# Altium PCB Archimajor.PcbDoc (part 1 of 13) (continued)
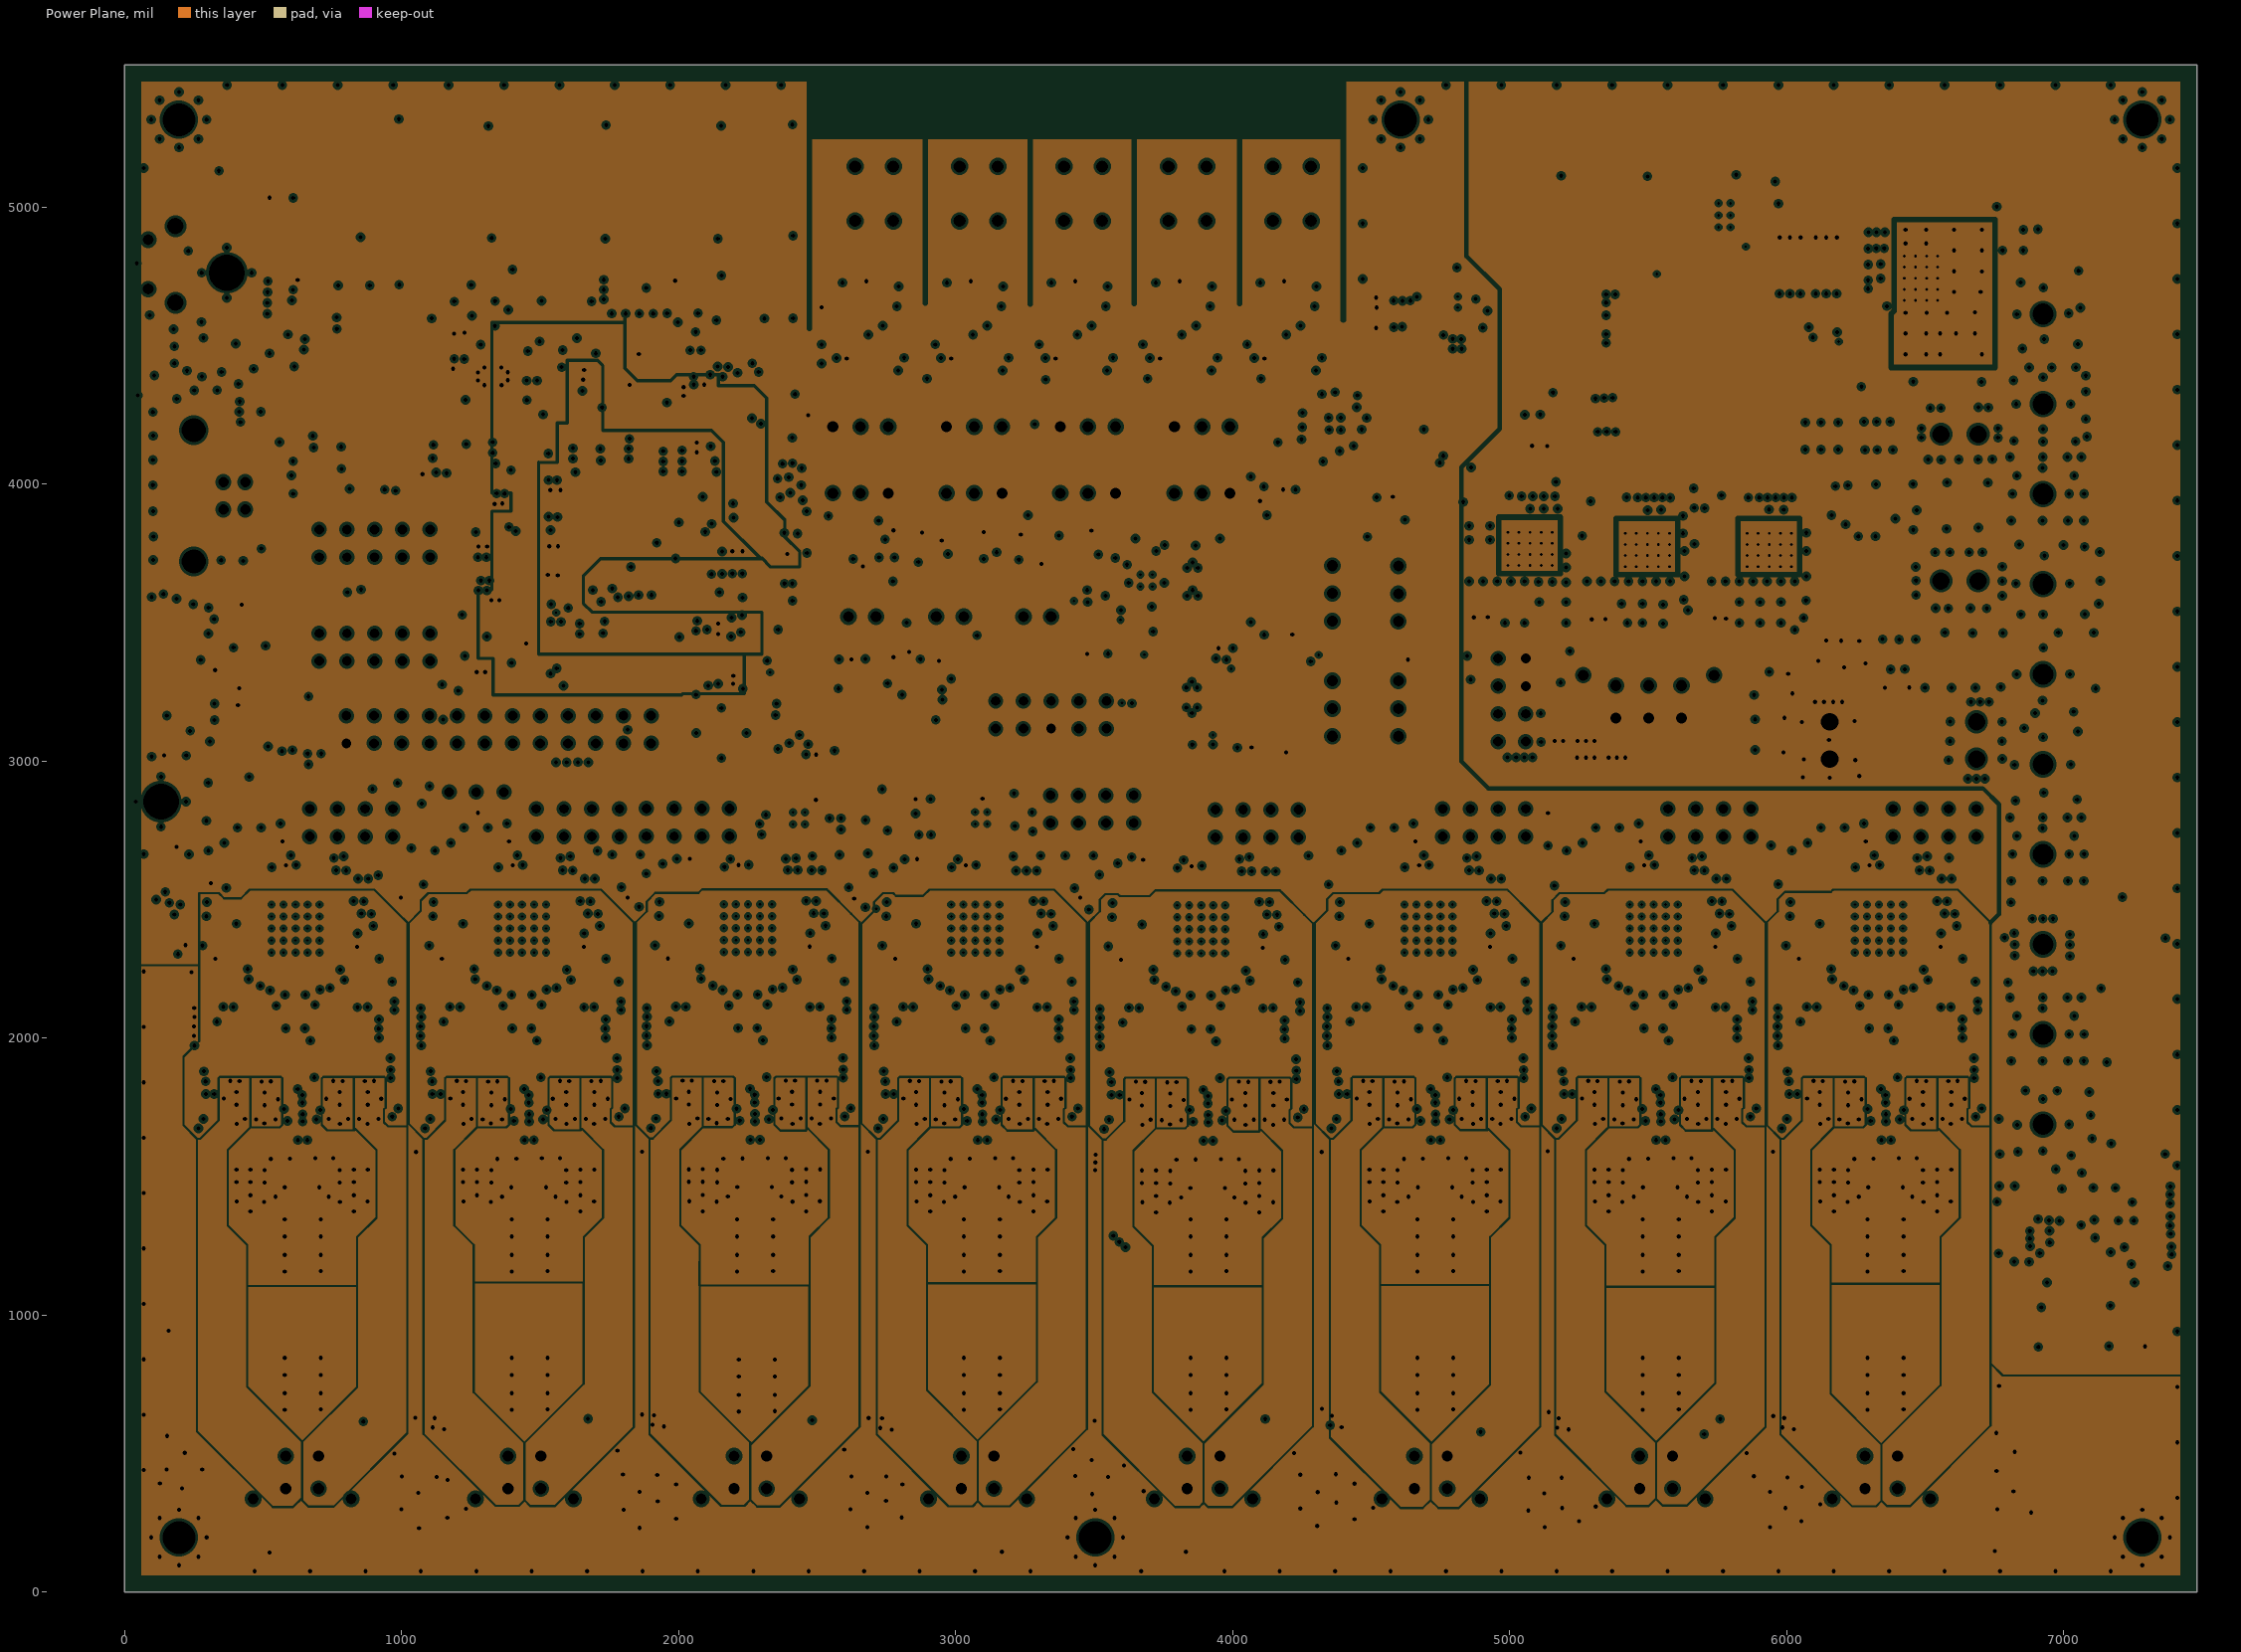
[diagram p3: Power Plane, clearances drawn from the general rule]
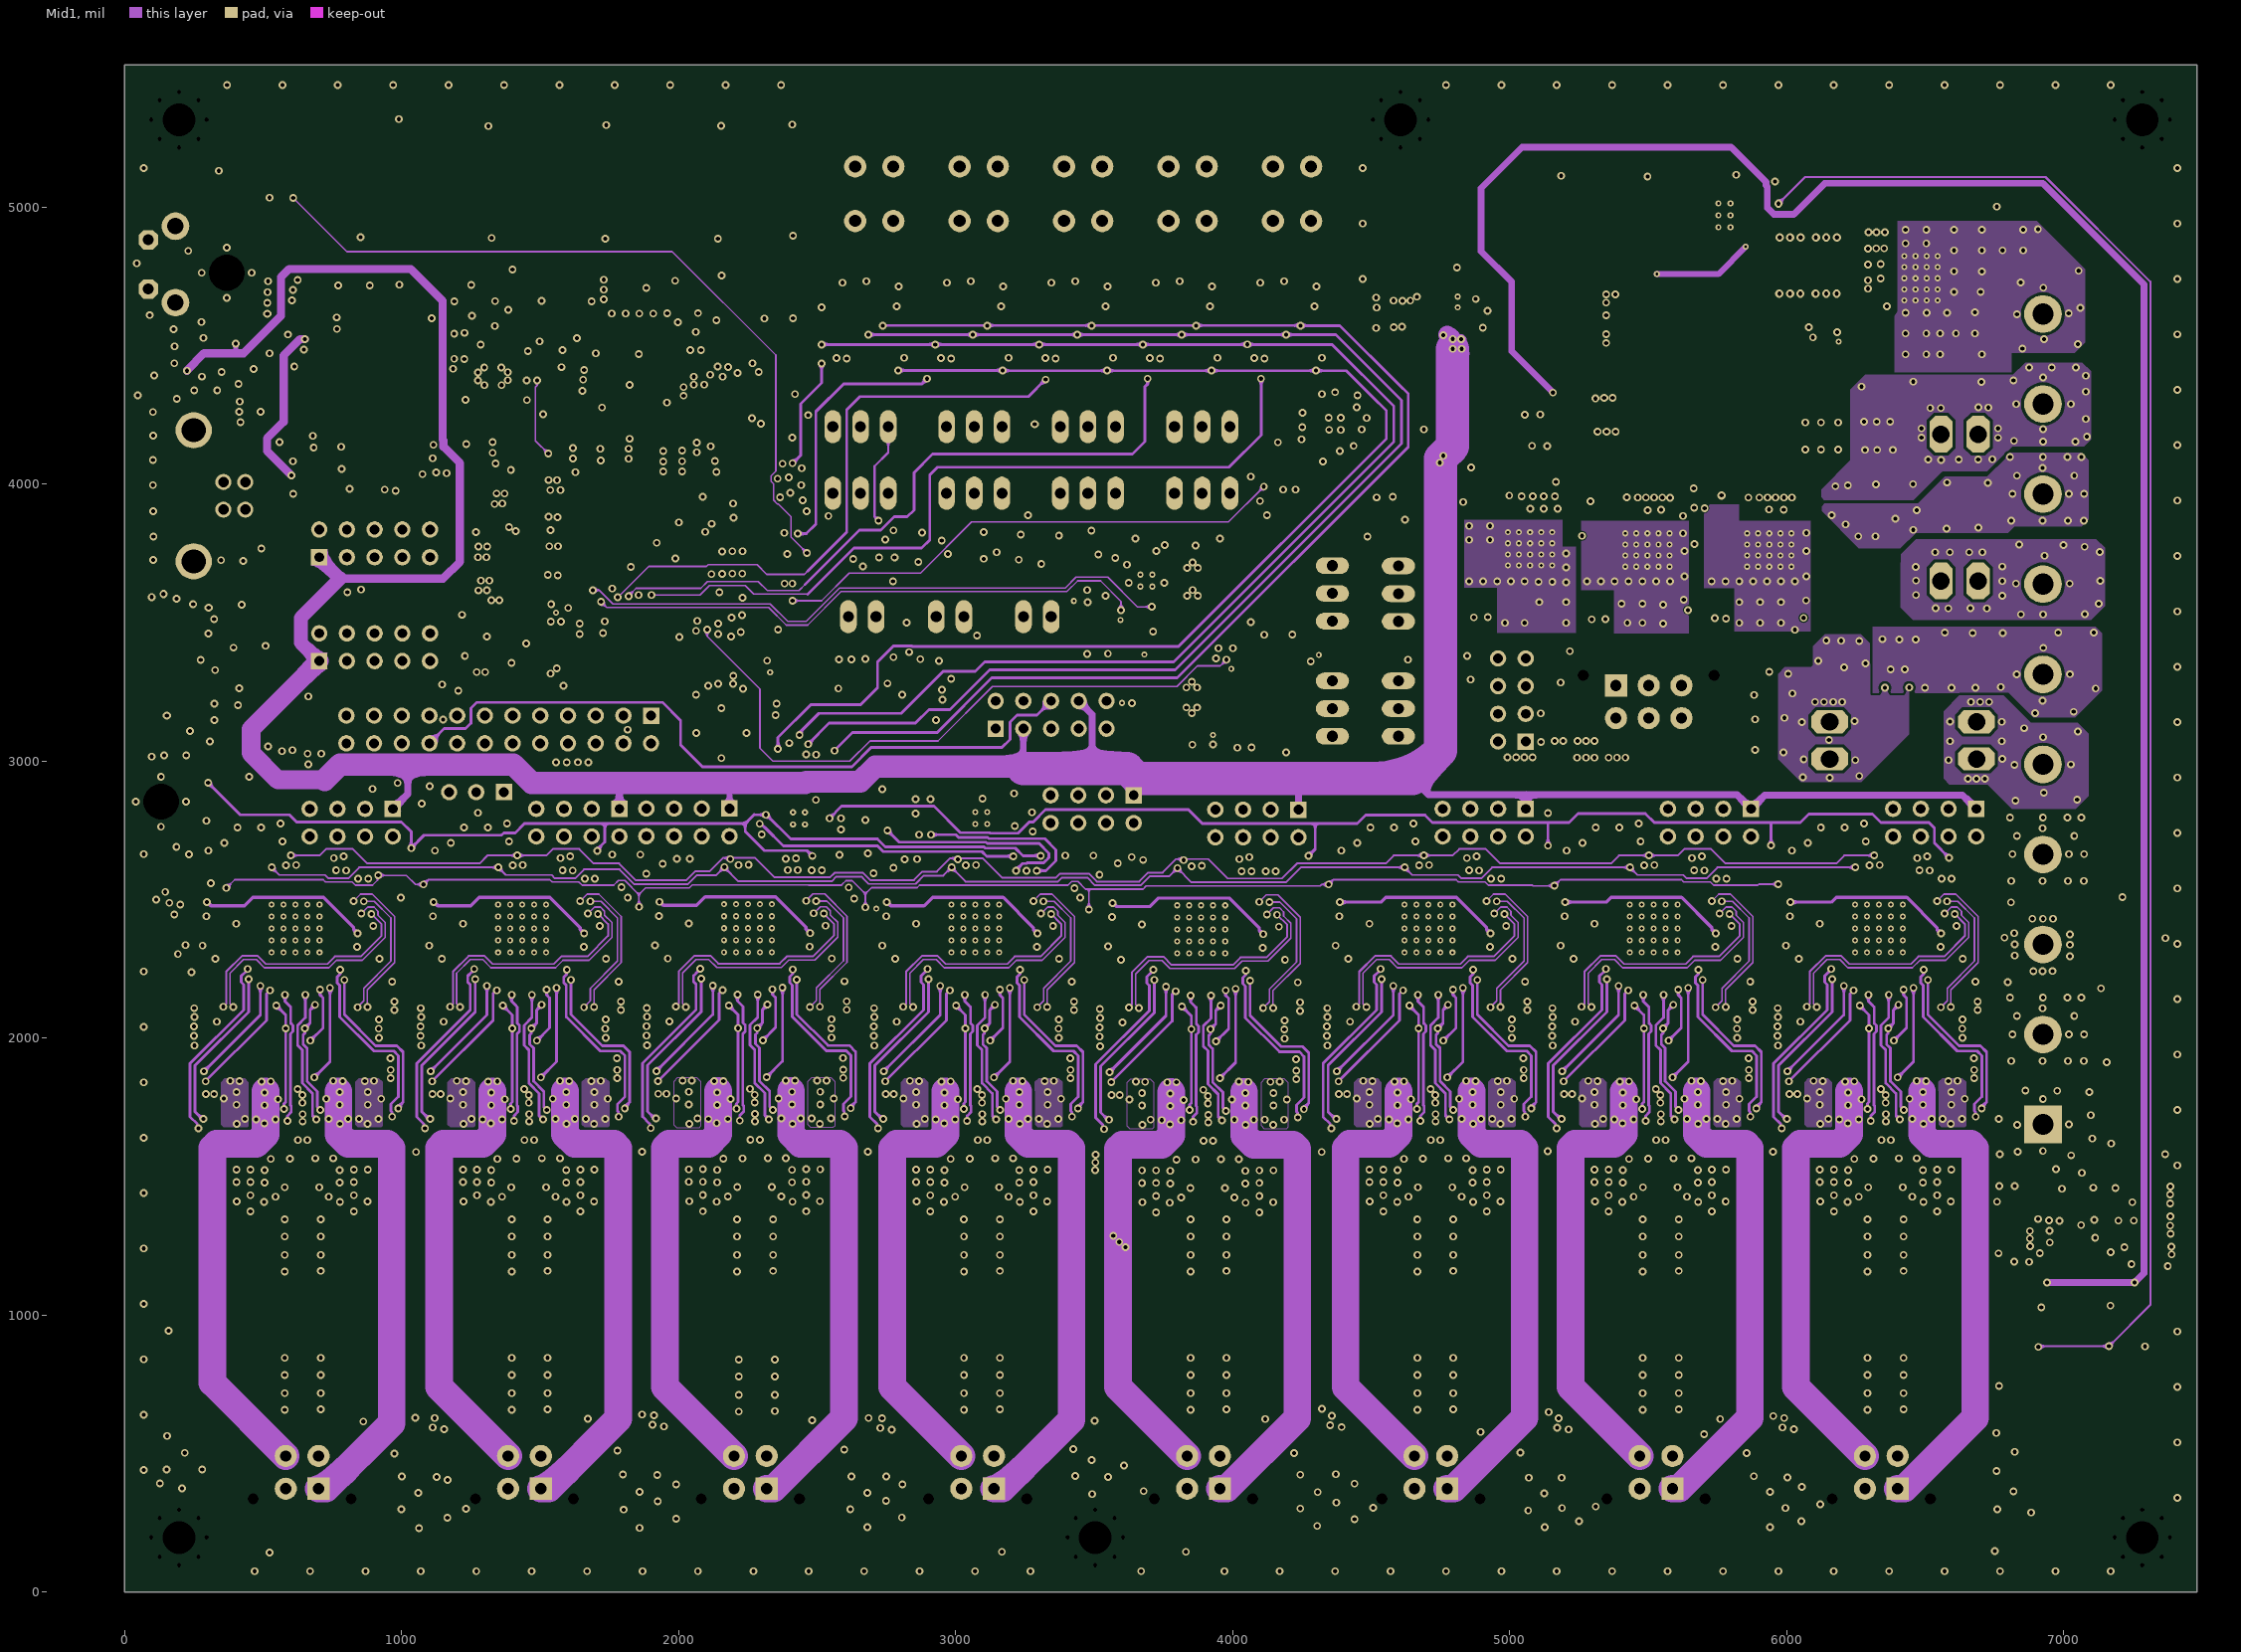
[diagram p4: Mid1]
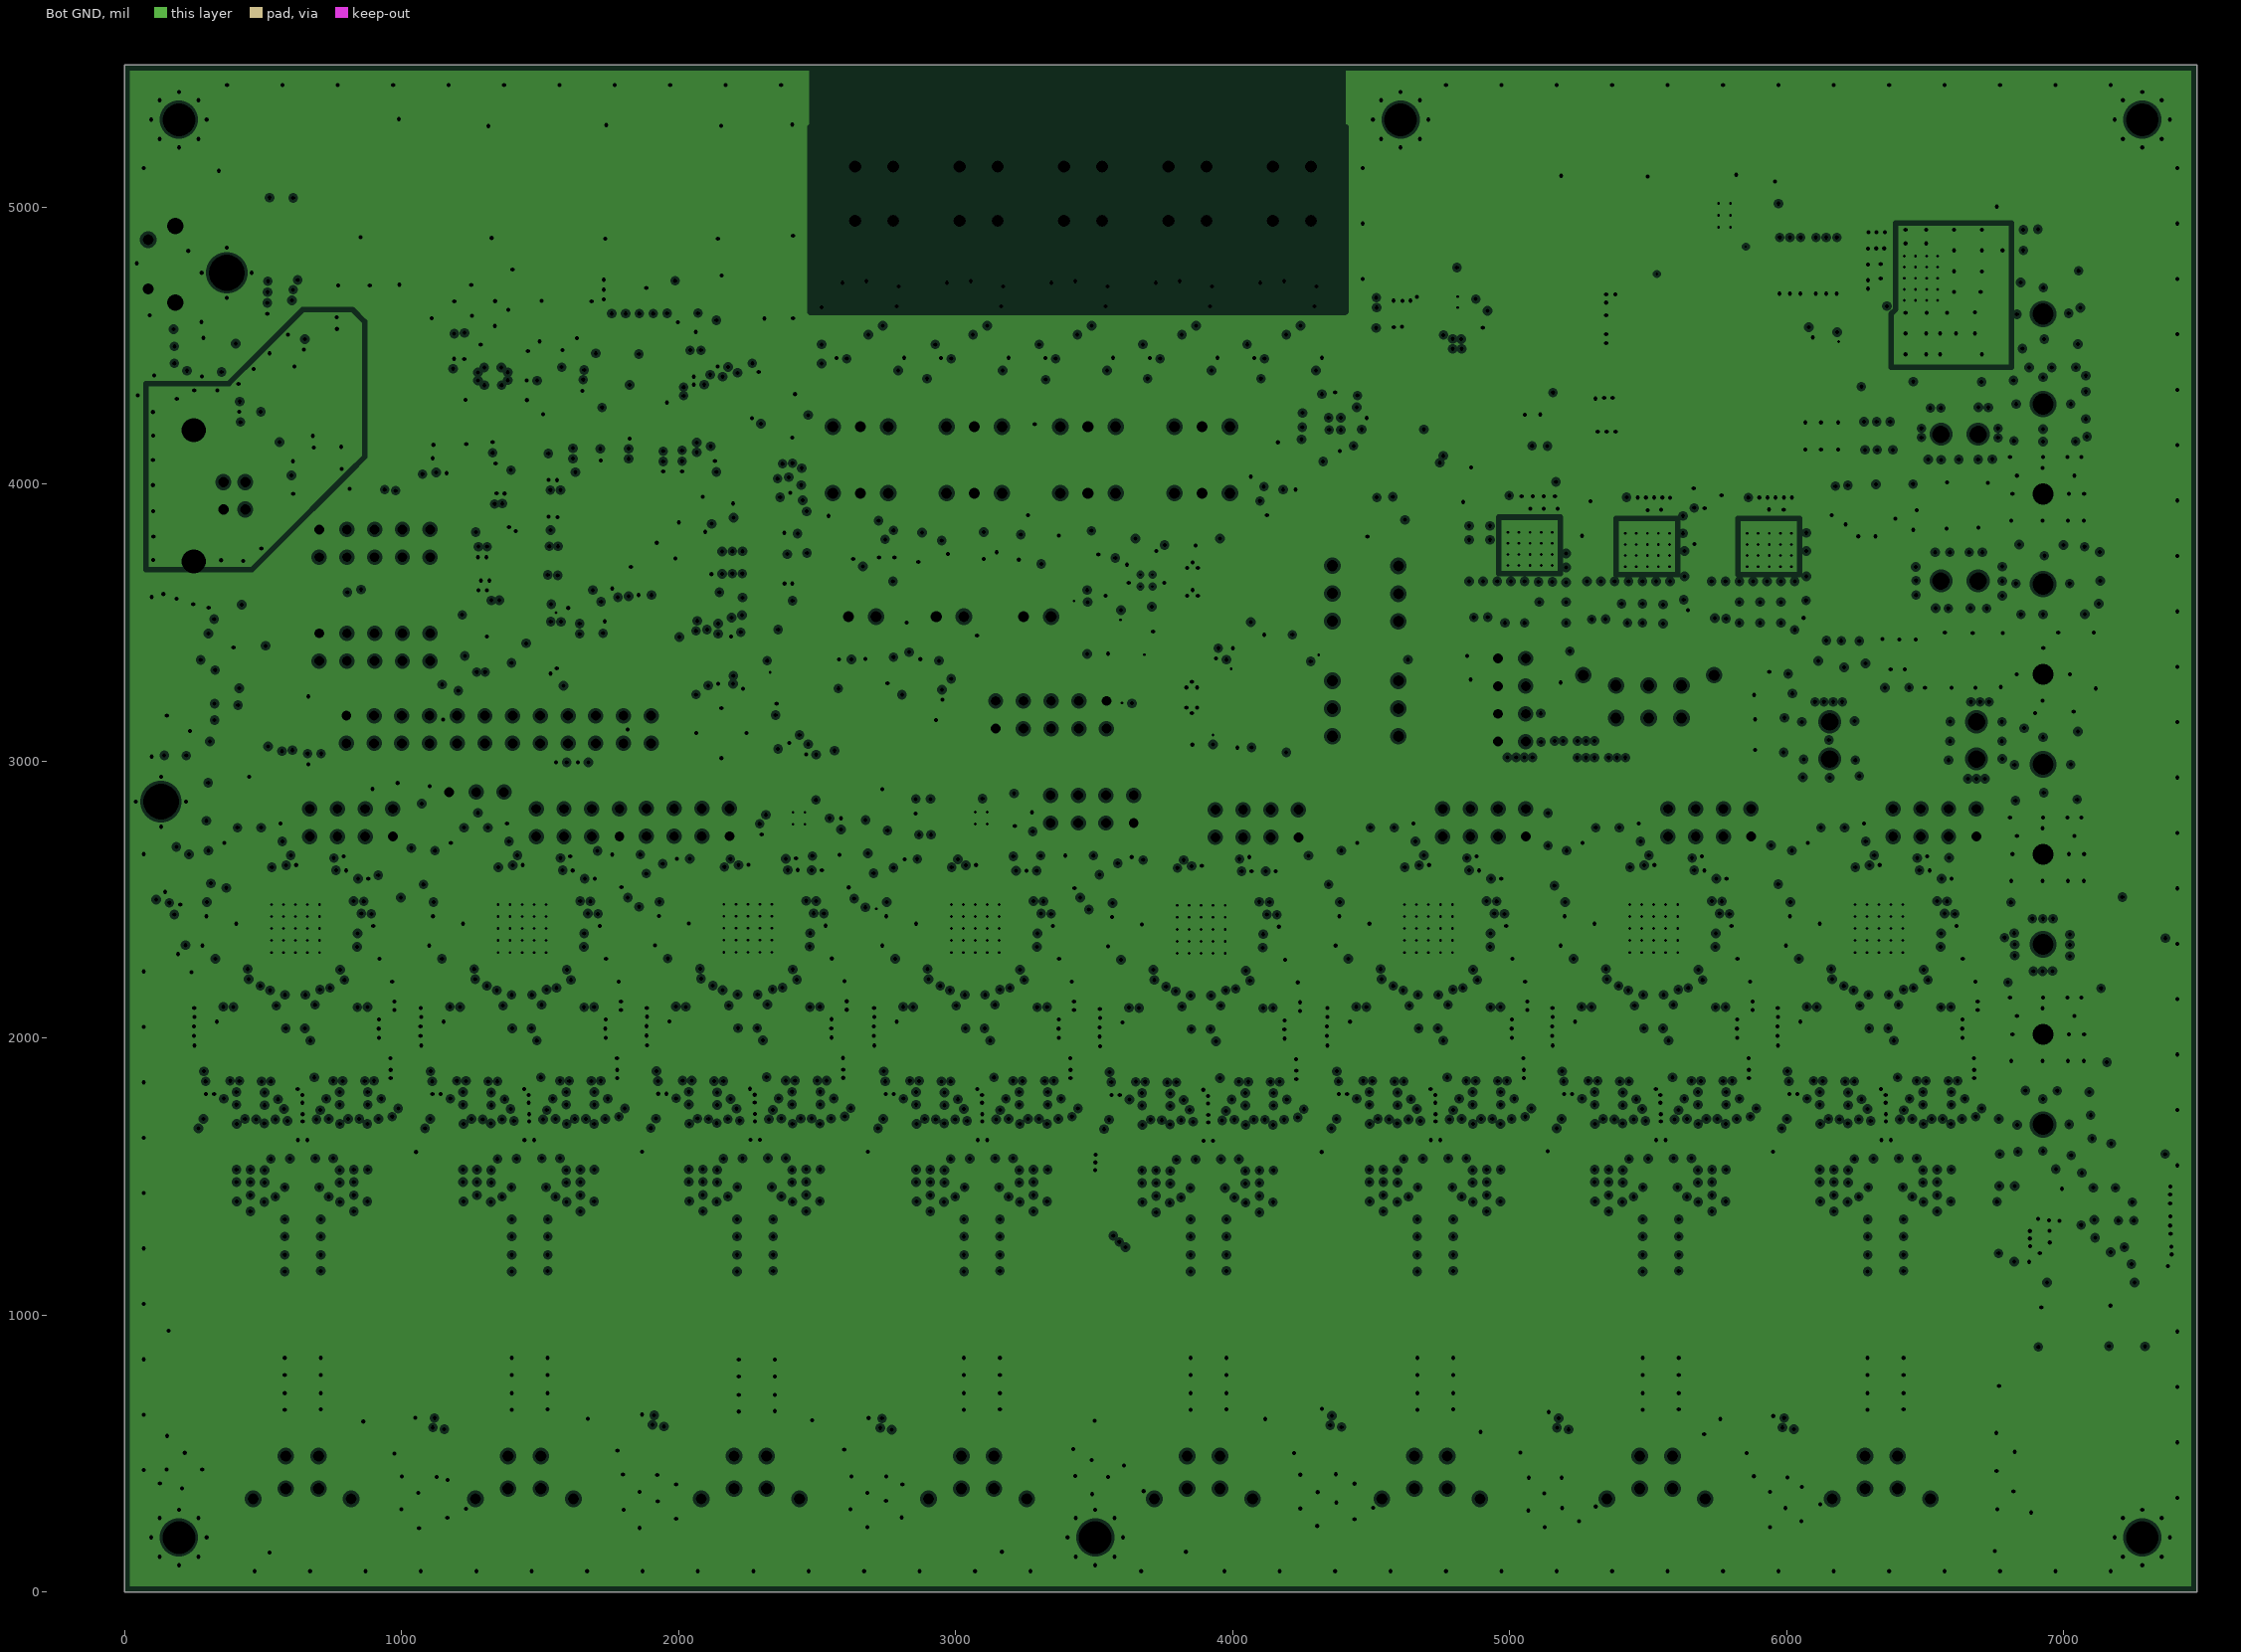
[diagram p5: Bot GND, clearances drawn from the general rule]

## Layer stack, top to bottom
Top Solder: solder mask 0.4, Solder Resist, Dk 4
Top Layer: signal copper 3.0669
Dielectric1: prepreg 4.7244, FR-4 TG170, Dk 4.2
Top GND: plane copper 1.3779, net (Multiple Nets)
Dielectric3: core 19.685, FR-4 TG170, Dk 4.2
Power Plane: plane copper 1.3779, net (Multiple Nets)
Dielectric 5: prepreg 9.4488, FR-4 TG170, Dk 4.2
Mid1: signal copper 1.3779
Dielectric 4: core 19.685, FR-4 TG170, Dk 4.2
Bot GND: plane copper 1.3779, net (Multiple Nets)
Dielectric2: prepreg 4.7244, FR-4 TG170, Dk 4.2
Bottom Layer: signal copper 3.0669
Bottom Solder: solder mask 0.4, Solder Resist, Dk 4

## Board outline
0,0 0,5511.81 7480.31,5511.81 7480.31,0

## Design rules (kind name [scope] priority, off if disabled: settings)
AcuteAngle [All] p1 off: minimum=6.00000000000000E+0001 checktracksonly=FALSE
AssemblyTestPointUsage [All] p1: valid=2
AssemblyTestpoint [All] p1: testpointundercomponent=FALSE minsize=40 maxsize=100 preferedsize=60 minholesize=0 maxholesize=40 preferedholesize=32 testpointgrid=1 usegrid=FALSE gridtolerance=0.01 allowsidetop=TRUE allowsidebottom=TRUE minspacing=100 compbodyclearance=140
BoardOutlineClearance [All] p1: gap=20 ignorepadtopadclearanceinfootprint=FALSE
Clearance "Internal Positive Layer" [OnLayer('Mid1')] p1: gap=10 ignorepadtopadclearanceinfootprint=FALSE except(7: Arc-Arc Arc-Track Arc-SMDPad Arc-THPad Arc-Via Track-Track Track-SMDPad Track-THPad Track-Via SMDPad-SMDPad SMDPad-THPad SMDPad-Via THPad-THPad THPad-Via Via-Via)
Clearance Polygon [InPolygon] p2: gap=8 ignorepadtopadclearanceinfootprint=FALSE except(10: Fill-Fill Fill-Poly Fill-Region Poly-Poly Poly-Region Region-Region)
Clearance Clearance_PWR_INPUT_POLYGONS [InPolygon and InNetClass('PWR_INPUT')] p3 off: gap=10 ignorepadtopadclearanceinfootprint=FALSE except(0: Arc-Hole Track-Hole SMDPad-Hole THPad-Hole Via-Hole Fill-Hole Poly-Hole Region-Hole Text-Hole)
Clearance [All] p4: gap=8 ignorepadtopadclearanceinfootprint=FALSE
ComponentClearance GlobalComponentClearance [All] p1: gap=10 collisioncheckmode=3 verticalgap=10 showdistances=FALSE
DiffPairsRouting [All] p1: maxlimit=10 minlimit=7 mostfreqgap=10 toplayer_prefgap=8 toplayer_minwidth=7 toplayer_maxwidth=15 toplayer_prefwidth=8 midlayer1_mingap=10 midlayer1_minwidth=15 midlayer1_maxwidth=15 midlayer1_prefwidth=15 bottomlayer_prefgap=8 bottomlayer_minwidth=7 bottomlayer_maxwidth=15 bottomlayer_prefwidth=8 maxuncoupledlength=200
FabricationTestPointUsage [All] p1: valid=2 allowmultiple=FALSE
FabricationTestpoint [All] p1: side=3 testpointundercomponent=TRUE minsize=40 maxsize=100 preferedsize=60 minholesize=0 maxholesize=40 preferedholesize=32 testpointgrid=1 allowsidetop=TRUE allowsidebottom=TRUE usegrid=FALSE gridtolerance=0.01
FanoutControl Fanout_SOIC [(InComponent('U8') AND InComponent('U7'))] p3: bgadir=Out bgaviamode=Centered fanoutstyle=Staggered fanoutdirection=Alternating viagrid=1 // Fanout_SOIC (Default Rule)
FanoutControl Fanout_Small [All] p4: bgadir=Out bgaviamode=Centered fanoutstyle=Auto fanoutdirection=Alternating viagrid=1 // Fanout_Small (Default Rule)
HoleSize [All] p1: absolutevalues=TRUE maxlimit=200 minlimit=10 maxpercent=80.000 minpercent=20.000
MinimumAnnularRing [All] p1: minimumring=6
MinimumSolderMaskSliver [All] p1 off: minsoldermaskwidth=4
PasteMaskExpansion [All] p1: expansion=-1
PlaneClearance [All] p1: clearance=10
PlaneConnect "Do Not Connect" [InComponent('J3')] p1: planeconnectstyle=NoConnect reliefexpansion=20 reliefentries=4 reliefconductorwidth=10 reliefairgap=10
PlaneConnect PlaneConnect_Via [IsVia] p2: planeconnectstyle=Direct reliefexpansion=35 reliefentries=4 reliefconductorwidth=50 reliefairgap=10
PlaneConnect [All] p3: planeconnectstyle=Relief reliefexpansion=12 reliefentries=4 reliefconductorwidth=14 reliefairgap=10
PolygonConnect Vias [IsVia] p1: connectstyle=Direct reliefconductorwidth=10 reliefentries=4 polygonreliefangle="90 Angle" airgapwidth=10
PolygonConnect "Internal No Connect" [InComponent('F1') or InComponent('F2') or InComponent('F3') or InComponent('J3') vs OnLayer('Mid1')] p2: connectstyle=NoConnect reliefconductorwidth=10 reliefentries=4 polygonreliefangle="90 Angle" airgapwidth=10
PolygonConnect "24mil Connect" [IsNamedPolygon('24milConnect')] p3: thpad.connectstyle=Relief thpad.reliefconductorwidth=24 thpad.reliefentries=4 thpad.polygonreliefangle="90 Angle" thpad.airgapwidth=10 smdpad.connectstyle=Relief smdpad.reliefconductorwidth=12 smdpad.reliefentries=4 smdpad.polygonreliefangle="90 Angle" smdpad.airgapwidth=10 via.connectstyle=Relief via.reliefconductorwidth=12 via.reliefentries=4 via.polygonreliefangle="90 Angle" via.airgapwidth=10
PolygonConnect "12mil Connect" [IsNamedPolygon('Connect')] p4: thpad.connectstyle=Relief thpad.reliefconductorwidth=24 thpad.reliefentries=4 thpad.polygonreliefangle="90 Angle" thpad.airgapwidth=10 smdpad.connectstyle=Relief smdpad.reliefconductorwidth=12 smdpad.reliefentries=4 smdpad.polygonreliefangle="90 Angle" smdpad.airgapwidth=10 via.connectstyle=Relief via.reliefconductorwidth=12 via.reliefentries=4 via.polygonreliefangle="90 Angle" via.airgapwidth=10
PolygonConnect "Top 12mil" [InComponent('F1') or InComponent('F2') or InComponent('F3') or InComponent('J3') vs OnLayer('Top Layer')] p5: connectstyle=Relief reliefconductorwidth=12 reliefentries=4 polygonreliefangle="90 Angle" airgapwidth=10
PolygonConnect "Bottom 50mil" [InComponent('J3') vs OnLayer('Bottom Layer')] p6: connectstyle=Relief reliefconductorwidth=50 reliefentries=4 polygonreliefangle="90 Angle" airgapwidth=10
PolygonConnect "Bottom Fuses" [InComponent('F3') or InComponent('F2') or InComponent('F3') vs OnLayer('Bottom Layer')] p7: connectstyle=Direct reliefconductorwidth=50 reliefentries=4 polygonreliefangle="90 Angle" airgapwidth=10
PolygonConnect "Direct Connect" [IsNamedPolygon('Solid') Or IsNamedPolygon('Direct Connect') Or IsNamedPolygon('DirectConnect')] p8: connectstyle=Direct reliefconductorwidth=10 reliefentries=4 polygonreliefangle="90 Angle" airgapwidth=10
PolygonConnect [All] p9: connectstyle=Relief reliefconductorwidth=10 reliefentries=4 polygonreliefangle="90 Angle" airgapwidth=10
RoomDefinition TA [InComponentClass('TA')] p1: confinementstyle=ConfineIn formatcopy=FALSE lockcomponents=FALSE outline 2515,4373.53 2892,4373.53 2892,5290.53 2515,5290.53
RoomDefinition MD [InComponentClass('MD')] p2: confinementstyle=ConfineIn formatcopy=TRUE lockcomponents=FALSE outline 2639.23,2833.06 2639.23,2644.47 2628.73,2644.47 2628.73,2643.26 2549.23,2643.26 2549.23,2469.71 2661.48,2333.9 2661.48,2328.39 2661.48,-42.91 3479.33,-42.49 3479.33,2321.32 3369.23,2454.52 3369.23,2651.12 3457.23,2651.12 3457.23,2885.24 2674.29,2885.24
RoomDefinition TE [InComponentClass('TE')] p3: confinementstyle=ConfineIn formatcopy=TRUE lockcomponents=FALSE outline 4022.99,4373.53 4399.99,4373.53 4399.99,5290.53 4022.99,5290.53
RoomDefinition TD [InComponentClass('TD')] p4: confinementstyle=ConfineIn formatcopy=TRUE lockcomponents=FALSE outline 3645.99,4373.53 4022.99,4373.53 4022.99,5290.53 3645.99,5290.53
RoomDefinition TC [InComponentClass('TC')] p5: confinementstyle=ConfineIn formatcopy=TRUE lockcomponents=FALSE outline 3269,4373.53 3645.99,4373.53 3645.99,5290.53 3269,5290.53
RoomDefinition TB [InComponentClass('TB')] p6: confinementstyle=ConfineIn formatcopy=TRUE lockcomponents=FALSE outline 2892,4373.53 3269,4373.53 3269,5290.53 2892,5290.53
RoomDefinition MA [InComponentClass('MA')] p7: confinementstyle=ConfineIn formatcopy=FALSE lockcomponents=FALSE outline 293.19,-42.91 962.21,-42.91 1025.59,36.47 1025.59,2885.24 293.19,2885.24 207.68,2757.93 207.68,100.87
RoomDefinition MH [InComponentClass('MH')] p8: confinementstyle=ConfineIn formatcopy=TRUE lockcomponents=FALSE outline 6008.76,-42.91 6677.78,-42.91 6741.16,36.47 6741.16,2885.24 6008.76,2885.24 5923.24,2757.93 5923.24,100.87
RoomDefinition MG [InComponentClass('MG')] p9: confinementstyle=ConfineIn formatcopy=TRUE lockcomponents=FALSE outline 5195.76,-42.91 5864.78,-42.91 5928.16,36.47 5928.16,2885.24 5195.76,2885.24 5110.24,2757.93 5110.24,100.87
RoomDefinition MF [InComponentClass('MF')] p10: confinementstyle=ConfineIn formatcopy=TRUE lockcomponents=FALSE outline 4382.76,-42.91 5051.78,-42.91 5115.16,36.47 5115.16,2885.24 4382.76,2885.24 4297.24,2757.93 4297.24,100.87
RoomDefinition ME [InComponentClass('ME')] p11: confinementstyle=ConfineIn formatcopy=TRUE lockcomponents=FALSE outline 3444,2640.52 3371.13,2640.52 3371.13,2459.14 3476.75,2331.48 3476.75,2325.98 3476.75,-42.91 4294.6,-42.49 4294.6,2318.91 4184.5,2451.98 4184.5,2648.38 4272.5,2648.38 4272.5,2882.26 3489.56,2882.26 3454.5,2830.14 3454.5,2641.73 3444,2641.73
RoomDefinition MC [InComponentClass('MC')] p12: confinementstyle=ConfineIn formatcopy=TRUE lockcomponents=FALSE outline 1818.68,2834.01 1818.68,2645.35 1808.18,2645.35 1808.18,2644.14 1728.68,2644.14 1728.68,2470.53 1840.93,2334.68 1840.93,2329.17 1840.93,-42.91 2658.78,-42.49 2658.78,2322.09 2548.68,2455.34 2548.68,2652 2636.68,2652 2636.68,2886.2 1853.73,2886.2
RoomDefinition MB [InComponentClass('MB')] p13: confinementstyle=ConfineIn formatcopy=FALSE lockcomponents=FALSE outline 1111.1,-42.91 1780.12,-42.91 1843.5,36.47 1843.5,2885.24 1111.1,2885.24 1025.59,2757.93 1025.59,100.87
RoutingVias RoutingVias_<15mil [HoleSize < '15'] p1: holewidth=15 width=30 viastyle="Through Hole" minholewidth=10 minwidth=22 maxholewidth=15 maxwidth=30
RoutingVias [All] p2: holewidth=15 width=28 viastyle="Through Hole" minholewidth=10 minwidth=28 maxholewidth=50 maxwidth=70
SMDToCorner [All] p1 off: distance=30000
SilkToSilkClearance [All] p1 off: silktosilkclearance=10
SilkToSolderMaskClearance SilkscreenOverComponentPads [IsPad] p1 off: minsilkscreentomaskgap=10 clearancetoexposedcopper=TRUE
SolderMaskExpansion "Via SolderMask" [IsVia] p1: expansion=-15 istentingtop=FALSE
SolderMaskExpansion "Global SolderMaskExpansion" [All] p2: expansion=2 istentingtop=FALSE
Width Width_USB [InNet(UMCU_N) Or InNet(UMCU_P) Or InNet('NetD27_1') Or InNet('NetD27_3') Or InNet('NetD27_4') Or InNet('NetD27_6') Or InNet('NetL5_4') Or InNet('NetL5_1')  Or InNet('UD_P') Or InNet('UD_N') Or InNet('NetR42_1') Or InNet('UMCU_N') OR InNet('UMCU_P') Or InNet('NetR48_1')] p1: maxlimit=8 minlimit=6 preferedwidth=8 toplayer_maxwidth=6 toplayer_prefwidth=6 midlayer1_minwidth=8 bottomlayer_maxwidth=6 bottomlayer_prefwidth=6 minimp=50.000000 maximp=50.000000 favimp=50.000000
Width [All] p2: maxlimit=380 minlimit=6 preferedwidth=8 toplayer_maxwidth=200 midlayer1_maxwidth=200 minimp=50.000000 maximp=50.000000 favimp=50.000000
15 further rules are at their usual default settings.
